# KiCad board BV1.3.kicad_pcb (continued)
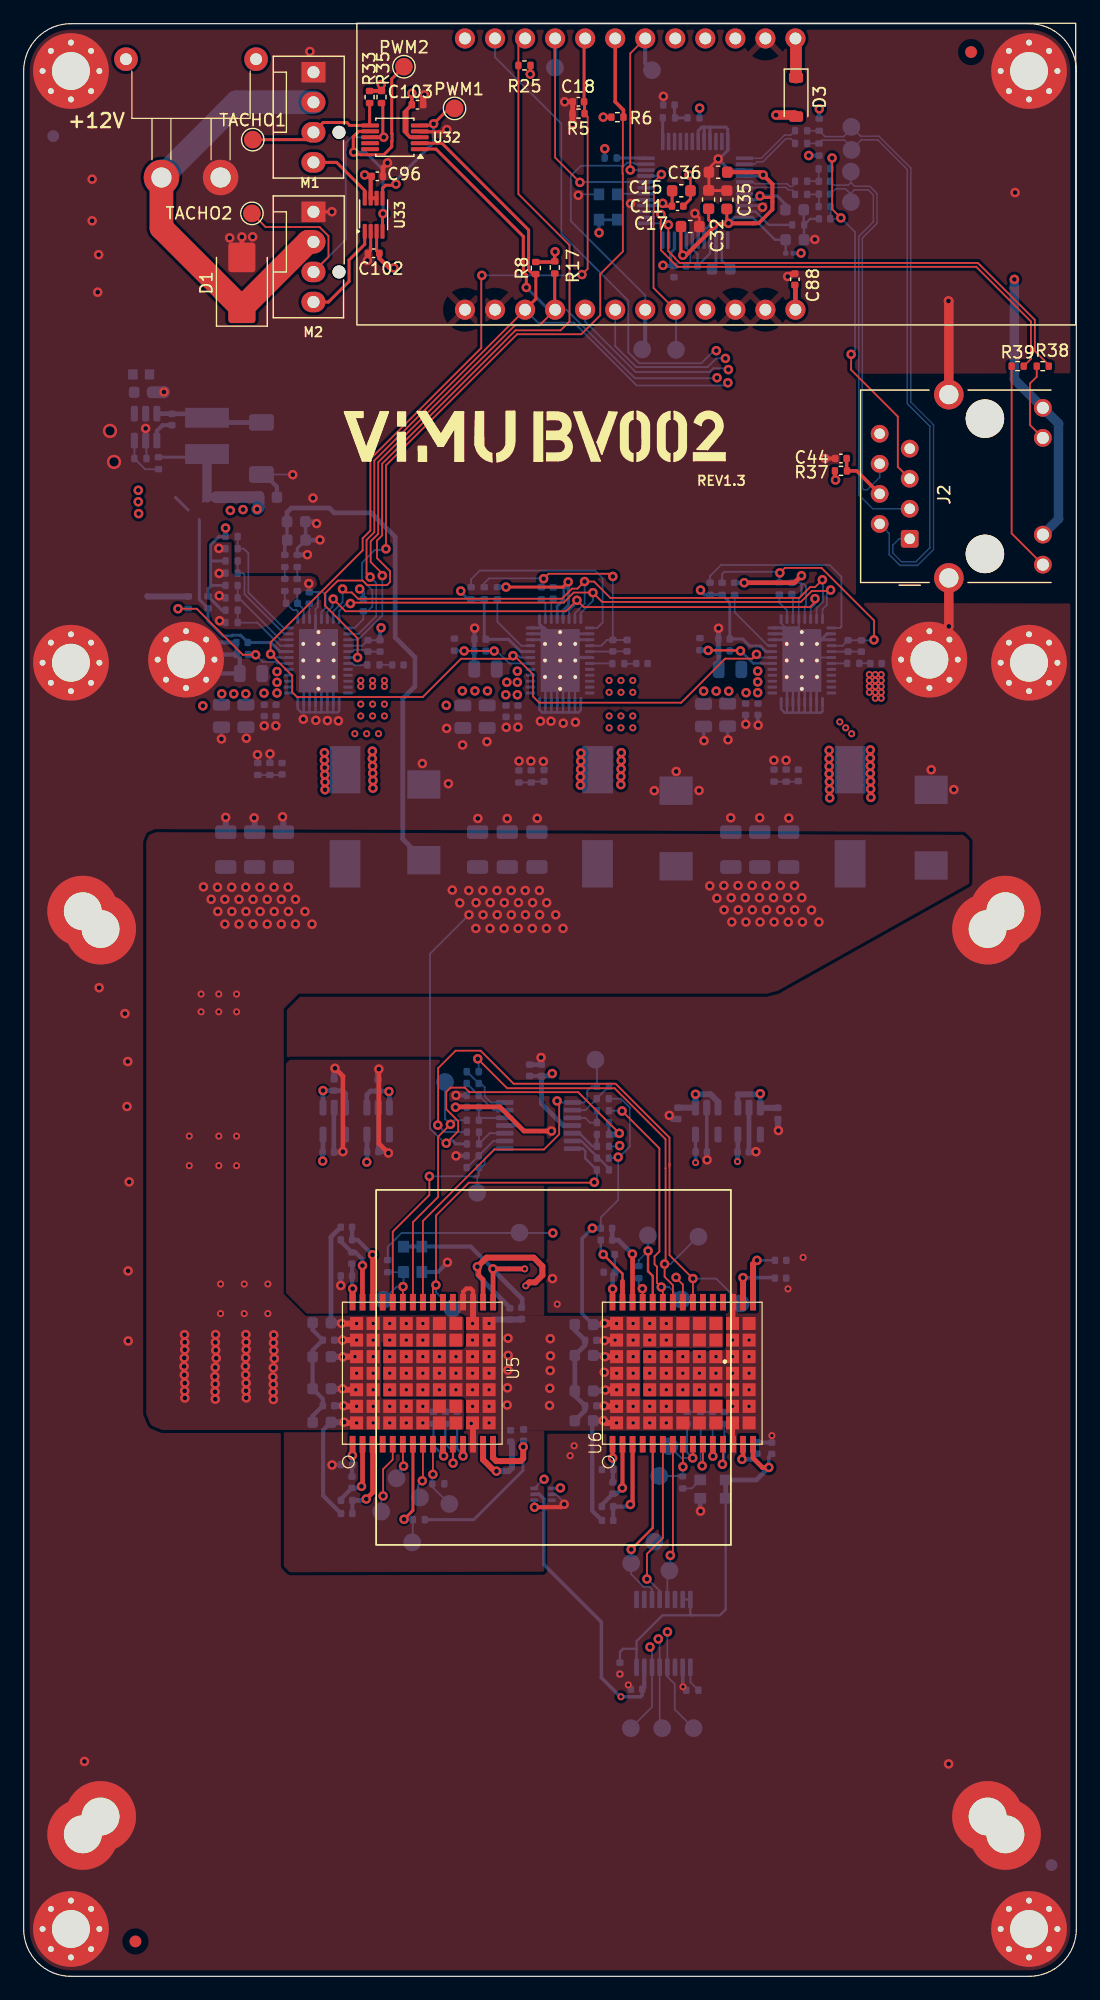
[diagram p0: board, top side]
## Routing (per net, layer and track width the routed paths; a pad name or vN(x,y) marks a point on that pad's centre or on a via; arc(x,y) is an arc through that point) (continued)
GND: length 265.4
  Top w0.203: v1(56.75,148.97) 57.12,148.59 C17.2 ; C36.2 57.94,152.79 v1(58.72,153.57)
  Top w0.254: U32.4 33.52,155.86 35.59,155.86 v1(35.78,156.05) ; C36.2 57.94,150.94 C32.2 57.92,150.9 59.45,150.9 ; U33.2 29.34,145.83 C102.2 ; M2.1 26.05,149.1 v1(26.06,149.11)
  Top w0.3: M2.1 24.2,149.4
  Top w0.35: U6.32 59.98,46.72 U6.13 ; v1(43.19,39.64) 45.45,39.64 v1(45.7,39.89) ; C44.1 v1(67.75,128.26)
  Top w0.4: v1(18.45,146.98) D1.2 ; U6.32 59.98,55.21 U6.18 ; v1(45.74,158.4) C18.2 46.42,157.42 R5.1 ; v1(64.6,143.63) 64.8,143.84 65.16,143.84 C88.2 ; C96.2 30.38,152.86 v1(30.76,153.24) ; v1(36.52,73.44) 36.55,73.47 40.26,73.47 42.3,71.43 v1(44.62,71.43) ; C102.2 29.11,145.04 v1(29.06,144.99)
  Top w0.508: v1(33.88,158.99) 33.78,158.89 C103.2 ; v1(46.41,156.53) 46.4,156.54 R5.1
  Top w0.8: J2.SH 78.22,141.54 v1(78.19,141.57) ; J2.SH v1(78.22,114.07)
  Bottom w0.152: R78.1 19.79,103.21 v1(19.77,103.23) ; v1(46.89,150.5) 46.97,150.58 U2.2 ; U20.41 U20.41 64.04,114.34 U20.33 ; R29.2 57.23,47.7 R43.2 R44.2 R47.2 59.41,47.69 ; NT3.1 24.88,115.73 24.67,115.52 U18.36 ; 43.16,39.64 v1(43.19,39.64) ; v1(45.7,39.89) 45.7,40.03 45,40.73 U37.2 ; v1(22.75,126.89) 22.73,126.91 20.37,126.91 ; U15.29 51.64,150.13 v1(51.31,149.8) ; NT5.1 65.54,116.45 U20.36 65.54,113.84 U20.41 ; R14.1 10.38,129.71 U14.2 10.31,130.8 v1(10.31,130.8) ; U20.6 67.32,111.44 U20.41 ; 23.83,122.9 C101.2
  Bottom w0.2: v1(43.19,39.64) 43.17,39.66 U37.4 ; C161.2 63.26,45.12 v2(63.26,45.69)
  Bottom w0.203: U18.41 23.67,109.76 U18.19 23.67,106.82 23.68,106.81 ; 24.66,106.81 24.67,106.82 U18.17 24.67,108.54 U18.41 25.17,108.54 U18.16 25.17,106.81 25.17,106.81 ; 24.66,106.81 25.17,106.81 ; 24.66,106.81 24.17,106.81 ; 46.63,106.8 46.61,106.82 U19.14 46.61,109.94 U19.41 44.11,109.94 U19.19 44.11,106.83 44.08,106.8 ; 46.63,106.8 46.91,106.8 47.11,107 U19.13 ; 46.63,106.8 46.03,106.8 ; U18.41 26.17,109.76 U18.14 26.17,106.84 26.14,106.81 ; 65.56,106.78 65.95,106.78 ; 65.56,106.78 65.54,106.8 U20.17 65.54,108.54 U20.41 66.04,108.54 U20.16 66.04,106.87 65.95,106.78 ; 65.56,106.78 64.98,106.78 ; 65.95,106.78 66.59,106.78 ; 25.17,106.81 25.66,106.81 ; 44.08,106.8 43.83,106.8 43.61,107.02 U19.20 ; 44.08,106.8 44.61,106.8 ; 64.55,106.78 64.98,106.78 ; 64.55,106.78 64.34,106.78 64.04,107.08 U20.20 ; 64.55,106.78 64.54,106.79 U20.19 64.54,109.76 U20.41 ; 64.98,106.78 65.04,106.84 U20.18 65.04,109.04 U20.41 66.54,109.04 U20.15 66.54,106.83 66.59,106.78 ; 44.61,106.8 44.61,106.8 U19.18 44.61,109.04 U19.41 46.11,109.04 U19.15 46.11,106.88 46.03,106.8 ; 44.61,106.8 45.1,106.8 ; 23.68,106.81 24.17,106.81 ; 23.68,106.81 23.46,106.81 23.17,107.1 U18.20 ; 24.17,106.81 24.17,106.81 U18.18 24.17,109.04 U18.41 25.67,109.04 U18.15 25.67,106.82 25.66,106.81 ; 56.53,146.72 56.53,145.99 56.97,145.55 C25.1 58.03,145.58 58.03,146.72 ; 46.03,106.8 45.62,106.8 ; 45.62,106.8 45.61,106.81 U19.16 45.61,108.54 U19.41 45.11,108.54 U19.17 45.11,106.81 45.1,106.8 ; 45.62,106.8 45.1,106.8 ; v1(62.46,149.49) 62.32,149.63 U15.9 ; R11.1 65.95,148.04 C34.2 ; R11.1 65.97,147.98 C40.2 66.86,146.74 v1(66.89,146.77) ; R11.1 66.5,148.51 C37.1 ; 67.01,106.78 67.43,106.78 67.54,106.89 U20.13 ; 67.01,106.78 67.04,106.81 U20.14 67.04,109.76 U20.41 ; 67.01,106.78 66.59,106.78 ; 25.66,106.81 26.14,106.81 ; 26.14,106.81 26.56,106.81 26.67,106.92 U18.13 ; C30.2 59.03,144.97 59.03,146.72
  Bottom w0.254: U20.3 67.42,112.94 U20.41 67.92,113.44 U20.2 ; C54.1 v1(16.72,104.56) ; U20.30 64.16,112.94 U20.41 ; U19.31 45.21,113.44 U19.41 44.29,113.59 43.61,114.27 U19.33 ; 57.54,156.26 58.02,156.26 ; 57.54,156.26 57.34,156.26 57.03,155.95 U15.43 ; 57.54,156.26 57.53,156.25 U15.44 ; 58.02,156.26 59.36,156.26 59.53,156.09 U15.48 59.53,154.3 58.8,153.57 v1(58.72,153.57) 59.66,152.63 U15.3 ; 58.02,156.26 58.03,156.25 U15.45 ; U19.32 44.01,113.94 U19.41 46.21,113.44 U19.2 ; U19.30 43.73,112.94 U19.41 ; v1(20.83,103.3) 20.82,103.29 R84.1 ; v1(54.09,158.86) 54.07,158.84 C1.1 ; U19.41 46.99,112.94 U19.3 ; 17.09,97.92 v1(17.08,97.93) ; U19.36 45.11,115.79 NT4.1 ; U18.36 24.67,113.84 U18.41 ; 21.96,97.91 v1(21.89,97.98) ; U20.32 65.44,113.94 U20.41 65.64,113.44 U20.31 ; 19.53,97.86 v1(19.49,97.89) ; R89.1 23.13,120.66 C91.2
  Bottom w0.3: U7.10 55.72,24.49 v2(55.74,24.46) R23.1 ; v1(61.05,105.8) 61.04,105.81 C116.1 ; v1(59.55,104.49) 59.52,104.52 C66.1 ; U17.11 41.84,71.89 42.3,71.43 v1(44.62,71.43) ; U19.41 46.89,111.44 U19.6 ; C194.1 57.75,69.69 U13.2 57.75,73.76 ; C91.2 23.83,122.9 ; v1(57.52,104.41) 57.48,104.45 C64.1 ; C150.1 62.08,105.74 v1(62.1,105.72)
  Bottom w0.35: H7.1 15.95,110.09 C57.1 18.27,111.43 C67.1 ; v1(36.52,73.44) 36.52,73.44 R65.1 ; C67.1 16.56,111.69 H7.1 ; C67.1 17.99,111.71 C71.1 15.68,112.71 H7.1 ; C56.1 C69.1 38.11,112 C73.1 38.11,113.9 v1(38.13,113.92) ; 20.37,126.91 21.41,125.86 C108.2 ; C161.2 62.02,45.11 C157.2
  Bottom w0.4: U11.2 61.33,69.68 C190.1 61.89,69.66 v1(61.91,69.68) ; v1(36.52,73.44) 36.48,73.47 36.38,73.47 ; C101.2 24.76,122.92 24.77,122.91 v1(24.77,122.76) ; v1(23.99,120.13) 23.97,120.11 R89.1 ; 57.2,40.4 57.2,39.34 v1(57.23,39.31) ; C194.1 57.77,69 v1(57.78,68.99) ; C165.2 47.46,47.81 C23.1 46.6,49.07 C168.2 C174.2 47.46,53.34 C50.1 46.6,54.6 C176.2 ; C63.1 58.77,111.97 C132.1 58.74,112.02 C134.1 58.74,113.9 v1(58.75,113.91) ; v1(43.74,77.64) 43.74,77.08 C206.1 C207.1 ; C91.2 25.03,121.36 v1(25.05,121.38)
  Bottom w0.508: C89.2 21.96,97.91 ; v1(54.59,72.75) 54.89,72.45 55.3,72.45 C192.1 ; v1(63.81,71.47) 63.77,71.51 C188.1 ; C97.2 19.53,97.86 ; C106.2 17.09,97.92
  Bottom w1: v1(11.86,133.88) 11.84,133.85 10.9,133.85
  vias: v1(5.14,18.16) v1(5.79,151.86) v1(5.79,148.34) v1(6.34,145.48) v1(6.26,142.31) v1(6.38,83.54) v1(8.56,81.35) v1(8.74,73.5) v1(8.8,77.3) v1(8.83,59.61) v1(8.84,53.69) v1(8.92,67.13) v1(17.42,146.9) v1(18.83,104.62) v1(19.36,146.99) v1(20.34,105.67) v1(21.32,105.67) v1(23.64,106.23) v1(24.2,162.65) v1(24.46,124.92) v1(24.7,106.13) v1(25.68,106.11) v1(26.61,106.09) v1(33.71,102.48) v1(35.76,105.45) v1(35.91,100.78) v1(37.11,104.05) v1(38.4,97.84) v1(39.17,104.33) v1(40.8,105.54) v1(40.88,97.83) v1(41.79,105.56) v1(41.88,102.69) v1(42.88,102.69) v1(43.42,97.85) v1(43.69,106.06) v1(43.94,102.66) v1(44.58,106.06) v1(44.71,58.96) v1(45.62,105.89) v1(46.65,105.97) v1(53.32,100.19) v1(55.17,101.81) v1(57.1,100.2) v1(59.78,97.9) v1(62.23,97.9) v1(63.43,102.76) v1(64.46,102.76) v1(64.69,97.87) v1(76.73,101.96) v1(78.2,17.95) v1(78.64,100.28) v1(83.82,150.73) v2(45.11,56.8) v2(46.2,43.99) v2(46.54,44.83) v2(50.41,25.54) v2(51.12,24.62) v2(52.93,52.36) v2(52.93,50.96) v2(52.93,49.56) v2(54.33,52.36) v2(54.33,50.96) v2(54.33,49.56) v2(55.73,52.36) v2(55.73,50.96) v2(55.73,49.56) v2(57.13,52.36) v2(57.13,50.96) v2(57.13,49.56) v2(58.53,52.36) v2(58.53,50.96) v2(58.53,49.56) v2(59.93,53.76) v2(59.93,52.36) v2(59.93,50.96) v2(59.93,49.56) v2(59.93,48.16) v2(61.33,53.76) v2(61.33,52.36) v2(61.33,50.96) v2(61.33,49.56) v2(61.33,48.16) v2(64.62,58.09) v2(65.9,60.75) v3(7.3,130.59) v3(7.64,127.97)
VDD: length 119.6
  Top w0.152: v1(50.36,71.23) 46.88,74.71 37.68,74.71 37.3,75.09 36.09,75.09 35.73,74.73 35.73,73.27 36.74,72.26 36.74,71.41 v1(35.73,70.4)
  Top w0.4: 36.45,55.21 36.41,55.16
  Top w0.508: v2(28.15,55.16) 26.9,55.16 v1(26.89,55.18) ; v2(28.15,53.76) 26.97,53.76 v1(26.96,53.77) ; U5.31 v2(28.01,52.36) 27.01,52.36 v1(26.99,52.34) ; v2(28.15,48.16) 27.1,48.16 v1(27.05,48.21) ; U5.31 v2(28.08,49.56) 27.04,49.56 v1(26.97,49.64) ; v1(27.09,46.82) 27.15,46.76 v2(28.15,46.76)
  Bottom w0.152: 22.08,121.16 C91.1 22.27,121.38 ; v1(35.73,70.4) 35.59,70.4 34.36,71.63 34.36,86.41 v1(37.65,89.7)
  Bottom w0.254: 49.47,71.14 R59.1 R56.2 ; R62.1 36.54,70.34 36.27,70.61 35.87,70.61 35.73,70.46 v1(35.73,70.4)
  Bottom w0.3: R88.1 22.08,121.16 ; C101.1 22.27,121.38
  Bottom w0.35: C90.1 25.32,40.62 25.32,46.16 C164.1
  Bottom w0.4: C178.2 25.98,62.47 C167.1 ; C101.1 22.27,123.7 22.63,124.07 25.85,124.07 26.26,123.66 29.38,123.66 31.41,121.63 31.41,113.13 33.08,111.46 33.08,109 32.05,107.97 32.05,96.09 C121.2
  Bottom w0.508: C167.1 26.84,55.22 v1(26.89,55.18) ; v1(26.99,52.34) 26.98,52.35 C173.1 ; C28.2 26.96,53.76 v1(26.96,53.77) ; v1(27.09,46.82) 27.09,46.82 C164.1 ; C175.1 26.96,49.65 v1(26.97,49.64) ; R59.1 50.27,71.14 v1(50.36,71.23) ; v1(27.05,48.21) 27.05,48.22 C52.2
  vias: v1(13.6,54.22) v1(13.62,53.58) v1(13.62,52.95) v1(13.58,52.26) v1(13.56,51.54) v1(13.58,50.82) v1(13.62,50.13) v1(13.61,49.47) v1(13.63,48.87) v1(15.2,92.06) v1(15.85,91.01) v1(16.23,54.23) v1(16.21,53.57) v1(16.24,52.91) v1(16.2,51.46) v1(16.17,50.68) v1(16.2,50.06) v1(16.18,49.4) v1(16.2,48.77) v1(16.28,52.23) v1(16.39,92.03) v1(16.41,89.98) v1(17.01,91) v1(17.01,88.91) v1(17.58,92.03) v1(17.6,89.98) v1(18.2,91) v1(18.2,88.91) v1(18.78,92.03) v1(18.8,89.98) v1(18.79,54.23) v1(18.81,53.59) v1(18.81,52.96) v1(18.77,52.27) v1(18.75,51.55) v1(18.77,50.83) v1(18.81,50.14) v1(18.8,49.48) v1(18.82,48.88) v1(19.4,91) v1(19.4,88.91) v1(19.97,92.03) v1(19.99,89.98) v1(20.59,91) v1(20.59,88.91) v1(21.14,54.2) v1(21.12,53.54) v1(21.11,51.43) v1(21.08,50.65) v1(21.11,50.03) v1(21.09,49.37) v1(21.11,48.74) v1(21.17,92.03) v1(21.19,89.98) v1(21.15,52.88) v1(21.19,52.2) v1(21.79,91) v1(21.79,88.91) v1(22.36,92.03) v1(22.38,89.98) v1(22.98,91) v1(22.98,88.91) v1(23.78,89.98) v1(24.38,88.91) v1(36.24,91.79) v1(36.87,90.7) v1(37.63,91.75) v1(38.25,90.72) v1(38.23,88.55) v1(38.82,91.75) v1(38.84,89.7) v1(39.44,90.72) v1(39.42,88.55) v1(40.02,91.75) v1(40.04,89.7) v1(40.64,90.72) v1(40.62,88.55) v1(41.21,91.75) v1(41.23,89.7) v1(41.83,90.72) v1(41.81,88.55) v1(42.41,91.75) v1(42.43,89.7) v1(43.03,90.72) v1(43.01,88.55) v1(43.6,91.75) v1(43.62,89.7) v1(44.22,90.72) v1(44.2,88.55) v1(44.98,89.7) v1(45.6,88.55) v1(58.01,92.14) v1(58.61,91.1) v1(59.2,92.17) v1(59.22,90.12) v1(59.82,91.14) v1(59.87,89.09) v1(60.39,92.17) v1(60.41,90.12) v1(61.01,91.14) v1(61.06,89.09) v1(61.59,92.17) v1(61.61,90.12) v1(62.21,91.14) v1(62.26,89.09) v1(62.78,92.17) v1(62.8,90.12) v1(63.4,91.14) v1(63.45,89.09) v1(63.98,92.17) v1(64,90.12) v1(64.6,91.14) v1(64.65,89.09) v1(65.17,92.17) v1(65.19,90.12) v1(65.79,91.14) v1(65.84,89.09) v1(66.61,90.1) v1(67.24,89.09) v2(14,71) v2(14,68.5) v2(15,83) v2(15,81.5) v2(16.5,83) v2(16.5,81.5) v2(16.5,71) v2(16.5,68.5) v2(16.65,58.5) v2(16.65,56) v2(18,83) v2(18,81.5) v2(18,71) v2(18,68.5) v2(18.65,58.5) v2(18.65,56) v2(20.65,58.5) v2(20.65,56) v2(28.15,50.96) v2(29.55,55.16) v2(29.55,53.76) v2(29.55,52.36) v2(29.55,50.96) v2(29.55,49.56) v2(29.55,48.16) v2(29.55,46.76) v2(30.95,55.16) v2(30.95,53.76) v2(30.95,48.16) v2(30.95,46.76) v2(32.35,55.16) v2(32.35,53.76) v2(32.35,48.16) v2(32.35,46.76) v2(33.75,55.16) v2(33.75,53.76) v2(33.75,48.16) v2(33.75,46.76)
VDD1: length 101.2
  Top w0.35: 38,56.96 38,57.93 37.8,58.12 37.43,58.12 37.15,57.84 U5.19 ; v2(37.84,46.72) 37.8,46.76
  Top w0.4: v1(26.99,69.69) 26.99,76.06 v1(26.32,76.73) ; v1(30.84,69.57) 30.03,70.38 v1(30.03,76.66)
  Top w0.508: v1(49,46.96) 49.2,46.76 v2(50.13,46.76) ; U5.32 38,46.72 38,44.96 ; v2(50.13,55.16) 49.44,55.16 49.43,55.18 v1(49.11,55.18) ; v1(49.07,48.21) 49.12,48.16 v2(50.13,48.16) ; 38,56.96 38,55.21 v2(37.95,55.16) ; v1(49.11,53.72) 49.15,53.76 v2(50,53.76) U6.31 ; v2(50.13,49.56) 49.21,49.56 v1(49.18,49.54) ; v1(49.14,52.36) 49.14,52.36 v2(50.13,52.36)
  In1.Cu w0.4: v1(36.56,74.44) 36.61,74.44 37.32,73.73 37.32,70.1 v1(36.56,69.33)
  Bottom w0.152: v1(48.09,63.22) 48.19,63.32 ; 50.26,69.14 R58.2 ; 50.26,69.14 50.26,69.14 v1(50.26,69.22) 50.26,65.6 48.8,64.13 C185.2 ; 50.26,69.14 51.25,70.13 51.25,73.39 50.48,74.16 R55.2
  Bottom w0.3: C176.1 47.21,56 47.21,62.35 v1(48.09,63.22)
  Bottom w0.35: R61.2 36.56,69.34 v1(36.56,69.33) ; C164.2 24.43,47.35 C52.1 25.29,48.78 C175.2 C173.2 24.43,52.9 C28.1 24.43,54.62 C167.2 ; C165.1 48.07,46.88 48.07,39.35 C153.1 ; C107.2 26.1,43.24 v1(26.07,43.21) ; v1(35.83,60.33) 35.02,59.51 33.67,59.51 ; R64.2 v1(36.56,74.44) 36.53,74.42
  Bottom w0.4: v1(48.09,63.22) 48.1,63.21 C185.2 ; U12.2 26.23,73.38 C193.1 26.94,69.64 v1(26.99,69.69) ; 26.81,58.37 v1(26.81,58.38) C195.1 ; v1(30.84,69.57) 30.73,69.68 C189.1 29.99,73.39 U10.2
  Bottom w0.508: C168.1 49.12,49.47 v1(49.18,49.54) ; v1(49.14,52.36) 49.03,52.47 C174.1 ; C191.1 26.25,76.66 v1(26.32,76.73) ; v1(30.03,76.66) 29.96,76.59 C187.1 ; C23.2 49.07,48.21 v1(49.07,48.21) ; v1(49,46.96) 48.99,46.95 C165.1 ; C182.2 42.05,55.5 C180.2 39.69,55.5 v2(39.35,55.16) ; C176.1 49,55.07 v1(49.11,55.18) ; v1(49.11,53.72) 49.08,53.74 C50.2
  vias: v1(40.95,53.92) v1(40.94,51.23) v1(40.9,49.73) v1(40.88,48.27) v1(40.96,52.47) v1(44.52,53.88) v1(44.54,52.43) v1(44.52,51.19) v1(44.48,49.69) v1(44.46,48.24) v1(49.09,51.04) v2(30.95,52.36) v2(30.95,50.96) v2(30.95,49.56) v2(32.35,52.36) v2(32.35,50.96) v2(32.35,49.56) v2(33.75,52.36) v2(33.75,50.96) v2(33.75,49.56) v2(35.15,52.36) v2(35.15,50.96) v2(35.15,49.56) v2(36.55,52.36) v2(36.55,50.96) v2(36.55,49.56) v2(37.95,53.76) v2(37.95,52.36) v2(37.95,50.96) v2(37.95,49.56) v2(37.95,48.16) v2(39.35,53.76) v2(39.35,52.36) v2(39.35,50.96) v2(39.35,49.56) v2(39.35,48.16) v2(39.35,46.76) v2(50.13,50.96) v2(51.53,55.16) v2(51.53,53.76) v2(51.53,52.36) v2(51.53,50.96) v2(51.53,49.56) v2(51.53,48.16) v2(51.53,46.76) v2(52.93,55.16) v2(52.93,53.76) v2(52.93,48.16) v2(52.93,46.76) v2(54.33,55.16) v2(54.33,53.76) v2(54.33,48.16) v2(54.33,46.76)
/BM1373/CI: length 17.6
  Top w0.152: U6.6 54.04,37.04 52.7,35.7 v1(52.7,33.57)
  Bottom w0.152: CI1.1 53.33,36.33 52.69,35.69 52.7,35.68 v1(52.7,33.57) 52.78,33.57 53.77,32.58 U7.4
/BM1373/CLKO: length 4.7
  Top w0.152: U6.8 v1(55.74,43.06)
  Bottom w0.152: CLKI1.1 55.57,42.28 55.6,42.25 R46.1 55.72,43.04 v1(55.74,43.06)
/BM1373/Level Shifter/BI: length 50.4
  Top w0.152: 54.6,68.64 54.6,70.87 50.05,75.42 41.42,75.42 38.63,78.21 36.52,78.21 35.04,76.74 35.04,71.96 v1(35.01,71.93) ; 54.6,68.64 54.6,68.64 54.6,60.94 v1(56.58,58.96) U6.22 ; 54.6,68.64 54.6,68.41
  Bottom w0.152: 60.5,57 58.54,58.96 v1(56.58,58.96) ; v1(35.01,71.93) 35.01,71.92 35.6,71.34 R63.1
/BM1373/Level Shifter/BI2: length 21.7
  Top w0.152: 31.37,56.96 31.37,57.35 31.38,57.36 ; U5.26 31.21,62.93 34.3,66.02 v1(34.3,67.6)
  Bottom w0.152: U17.8 39.81,69.94 38.97,69.1 38.97,68.62 38.69,68.34 R70.1 38.47,67.67 38.4,67.6 v1(34.3,67.6) ; 38.35,67.55 BI2.1
/BM1373/Level Shifter/CI: length 21.1
  Top w0.152: U6.25 54.04,58.11 ; v1(53.91,58.24) 53.54,58.61 53.54,59.97 53.34,60.17 53.34,60.84 53.75,61.25 53.75,69.97 v1(50.59,73.12) 50.68,73.21
  Bottom w0.152: CO1.1 54.57,58.24 v1(53.91,58.24) ; R57.1 50.58,73.14 v1(50.59,73.12)
/BM1373/Level Shifter/CI2: length 31
  Top w0.152: U5.23 33.76,63.83 39.8,69.87 43.99,69.87 45.28,71.16 45.28,73.79 v1(45.1,73.97)
  Bottom w0.152: v1(45.1,73.97) 45.23,73.84 U17.1 47.38,73.84 47.65,74.1 47.65,74.81 48.04,75.21 R68.1 48.47,77.34 CI2.1
/BM1373/Level Shifter/CLKI: length 30.1
  Top w0.152: U6.23 55.74,58.45 55.14,59.04 v1(55.16,59.06)
  In1.Cu w0.152: 48.86,59.08 48.47,59.08 v1(44.74,62.81) ; 48.86,59.08 48.68,59.08 ; 48.86,59.08 55.14,59.08 v1(55.16,59.06)
  Bottom w0.152: R67.1 30.78,61.64 31.96,62.82 44.73,62.82 v1(44.74,62.81)
/BM1373/Level Shifter/CLKO: length 6
  Top w0.152: U5.25 32.06,58.27 v1(32.07,58.28)
  Bottom w0.152: R67.2 32.1,59.5 32.11,59.51 32.11,58.32 v1(32.07,58.28) 31.54,58.28 CLKI2.1
/BM1373/Level Shifter/NRSTI: length 18.2
  Top w0.2: v1(52.79,61.3) 52.79,59.58 53.19,59.19 U6.26
  In1.Cu w0.152: v1(50.39,70.19) 52.73,67.85 52.73,61.36 v1(52.79,61.3)
  Bottom w0.152: R60.1 50.33,70.14 v1(50.39,70.19) ; RSTO1.1 52.78,61.31 v1(52.79,61.3) 52,60.51 R31.2
/BM1373/Level Shifter/NRSTI2: length 28.9
  Top w0.152: U5.22 34.6,58.17 34.86,58.43 v1(34.86,58.41) 34.86,64.29 37.63,67.06 48.21,67.06 v1(48.24,67.1)
  Bottom w0.152: RSTI2.1 34.86,57.82 v1(34.86,58.41) ; v1(48.24,67.1) 48.47,67.32 R69.1 48.52,68.14
  Bottom w0.203: U17.7 47.29,69.94 47.48,69.75 47.48,69.12 R69.1
/BM1373/Level Shifter/RO: length 37.7
  Top w0.152: U6.24 54.89,58.41 54.19,59.11 v1(54.19,60.19) 54.27,60.27 54.27,68.27 54.27,68.27 54.27,70.74 49.96,75.05 40.87,75.05 v1(38.39,77.53)
  Bottom w0.152: 57,62.5 54.69,60.19 v1(54.19,60.19) ; v1(38.39,77.53) 38.47,77.44 R72.1
/BM1373/Level Shifter/RO2: length 21.6
  Top w0.152: U5.24 32.91,63.73 35.04,65.86 35.04,70.95 v1(36.08,71.99)
  Bottom w0.152: RO2.1 35.62,72.46 v1(36.08,71.99) 36.43,72.34 R66.1
/BM1373/RESET: length 174.7
  In1.Cu w0.152: v1(58.56,137.37) 59.64,137.37 61.09,135.92 61.09,134.08 64.25,130.92 64.25,126.69 70.73,120.22 70.73,108.15 74.91,103.97 74.91,89.01 71.78,85.88 71.78,44.16 55.48,27.85 53.03,27.85 53.01,27.88 52.95,27.83 v1(52.95,27.83)
  Bottom w0.152: v1(52.95,27.83) 53.12,27.66 U7.14 53.12,22.76 RESET1.1 ; U30.2 39.85,162.17 45.46,156.55 45.46,147.25 51.11,141.59 51.11,137.23 52.03,136.31 57.3,136.31 58.36,137.37 v1(58.56,137.37)
  Bottom w0.3: 53.12,26.06 53.18,26.12
/BM1373/RO: length 13.4
  Top w0.152: U6.7 54.89,35.79 v1(54.68,35.57) 54.7,35.59
  Bottom w0.152: U7.5 54.42,34.37 54.68,34.63 v1(54.68,35.57)
  Bottom w0.2: 54.7,35.59 v1(54.68,35.57)
/BM1373/RST_N: length 15.1
  Top w0.152: v1(51.37,36.07) 51.37,36.17
  Top w0.2: U6.5 53.19,37.89 v1(51.37,36.07)
  Bottom w0.152: 51.37,36.17 v1(51.37,36.07) 51.37,33.98 52.42,32.92 52.9,32.92 53.12,32.7 U7.3
/BM1373/RXD: length 146.1
  In1.Cu w0.152: v1(54.43,29.11) 55.8,29.11 71.12,44.43 71.12,86.16 74.25,89.29 74.25,103.69 70.07,107.88 70.07,119.94 63.59,126.42 63.59,130.61 60.25,133.95 60.25,135.1 v1(59.58,135.77) ; U30.20 47.47,140.56
  Bottom w0.152: v1(54.43,29.11) 54.42,29.1 U7.12 54.42,25.33 55.04,24.7 55.04,22.56 RXD1.1 ; v1(59.58,135.77) 59.47,135.88 58.31,135.88 57.99,135.57 51.73,135.57 47.47,139.83 U30.20
/BM1373/TXD: length 145.7
  In1.Cu w0.152: v1(59.33,136.72) 59.56,136.72 60.73,135.54 60.73,133.94 63.92,130.75 63.92,126.56 70.4,120.08 70.4,108.01 74.58,103.83 74.58,89.15 71.45,86.02 71.45,44.29 55.61,28.45 53.71,28.45 v1(53.66,28.51)
  Bottom w0.152: U30.19 50.01,137.76 51.79,135.98 57.82,135.98 58.56,136.72 v1(59.33,136.72) ; v1(53.66,28.51) 53.77,28.39 U7.13 53.77,21.18 TXD1.1
/power1/BCX_CLK: length 52.7
  Top w0.152: v1(26.96,117.23) 27.25,116.94 27.74,116.94 28.27,116.41 45.51,116.41 46.36,117.26 46.82,117.26 v1(47.42,117.86) 48.22,117.86 49.6,116.48 65.58,116.48 66.5,117.39 66.91,117.39 v1(67.53,118.01)
  Bottom w0.152: v1(47.42,117.86) 47.44,117.84 47.44,116.01 46.61,115.18 U19.39 ; U18.39 26.17,115.33 26.97,116.13 26.97,117.22 v1(26.96,117.23) ; U20.39 67.04,115.62 67.57,116.15 67.57,117.97 v1(67.53,118.01)
/power1/BCX_DAT: length 49
  Top w0.152: v1(27.63,116) 27.87,116 27.95,116.08 45.65,116.08 46.5,116.93 48.12,116.93 v1(48.13,116.92) 48.91,116.14 65.71,116.14 66.63,117.06 68.15,117.06 v1(68.22,117.14)
  Bottom w0.152: U19.40 47.11,115.21 48.13,116.24 v1(48.13,116.92) ; v1(68.22,117.14) 67.91,116.82 67.91,115.89 67.54,115.53 U20.40 ; U18.40 26.67,115.37 27.31,116 v1(27.63,116)
/power1/M_BP1V5: length 31.8
  In1.Cu w0.35: v1(30.22,113.95) 29.45,114.72 24.73,114.72 v1(17.07,122.38)
  Bottom w0.152: C104.2 C93.2 28.65,112.44 U18.4
  Bottom w0.254: R24.2 16.51,121.66 15.81,120.95 15.81,119.64 ; R42.2 15.85,119.6 15.81,119.64 ; 15.88,117.53 15.81,117.6 15.81,119.64 ; 15.88,117.53 R41.2 ; 15.88,117.53 15.59,117.24 R87.1 16.76,115.44 R48.2
  Bottom w0.35: R24.2 v1(17.07,122.38) ; v1(30.22,113.95) 30.13,113.87 C104.2
/power1/PWR_EN: length 122.5
  Top w0.152: v1(38.74,143.73) 38.69,143.68 38.69,137.6 29.32,128.22 29.32,122.17 28.66,121.51 28.66,120.5 20.88,112.71 v1(20.88,111.73) 22.7,109.9 22.7,108.51 23.11,108.1 33.74,108.1 36.98,111.34 41.11,111.34 v1(41.37,111.59) 41.49,111.59 43.06,110.02 43.06,108.15 43.59,107.62 55.59,107.62 59.31,111.35 61.6,111.35 v1(61.96,111.71) ; v1(47.2,143.8) 47.68,144.28 47.68,157.14 R5.2
  Top w0.254: R5.2 47.42,158.36 C18.1 47.38,163.66 U30.5
  Bottom w0.152: U19.27 41.99,111.44 41.84,111.59 v1(41.37,111.59) ; U20.27 62.23,111.44 61.96,111.71 v1(61.96,111.71) ; 21.78,111.44 21.17,111.44 20.88,111.73 v1(20.88,111.73) ; 21.78,111.44 21.46,111.44 ; 21.78,111.44 U18.27 ; v1(38.74,143.73) 47.13,143.73 v1(47.2,143.8)
/power1/S1_BP1V5: length 21.2
  Top w0.152: v1(43.96,118.1) 44.37,118.51 49.59,118.51 v1(49.81,118.29)
  Bottom w0.152: C100.2 v1(49.81,118.29) ; C100.2 49.31,112.92 48.83,112.44 U19.4 ; C100.2 C109.2 ; R79.2 43.76,117.9 v1(43.96,118.1) 43.93,118.13 39.35,118.13 38.94,117.72 R90.1
/power1/S2_BP1V5: length 22
  Top w0.152: v1(71.89,112.93) 71.89,114.57 67.45,119.01 64.35,119.01 v1(63.93,118.59)
  Bottom w0.152: R98.1 59.05,118.48 59.25,118.68 63.84,118.68 v1(63.93,118.59) 63.89,118.55 R94.2 ; U20.4 69.24,112.44 C139.2 70.81,112.9 C141.2 71.85,112.89 v1(71.89,112.93)
/power1/SYNC: length 48
  Top w0.152: v1(26.17,116.38) 27.21,115.35 45.85,115.35 v1(46.77,116.27) 47.35,115.7 66.48,115.7 66.9,116.12 v1(66.9,116.41)
  Bottom w0.152: U18.38 25.67,115.31 26.11,115.74 26.11,116.32 v1(26.17,116.38) ; v1(46.77,116.27) 46.69,116.19 46.53,116.19 46.53,115.8 46.11,115.38 U19.38 ; U20.38 66.54,115.59 66.9,115.95 v1(66.9,116.41)
/T-Display-S3/MISO: length 15.9
  Top w0.152: v1(51.29,152.63) 51.29,162.49 U30.7
  Bottom w0.152: U15.34 51.29,152.63 v1(51.29,152.63)
  Bottom w0.35: U30.7 52.55,161.64 MISO1.1
/T-Display-S3/MOSI: length 24.3
  Bottom w0.152: U30.18 52.55,142.03 46.26,148.32 46.26,150.15 46.25,150.16 46.25,150.68 46.26,150.69 46.26,152.13 47.13,153 50.77,153 51.03,153.26 51.54,153.26 51.67,153.13 U15.35
  Bottom w0.35: MOSI1.1 52.55,137.73 U30.18
/T-Display-S3/SCL: length 201.1
  Top w0.152: v1(29.29,118.24) 28.99,118.54 28.99,121.37 29.65,122.03 29.65,128.09 U30.22 ; 32.79,154.9 U32.2
  Top w0.254: 42.6,141.04 U30.22 43.3,141.74 R8.1 43.04,143.84 42.69,144.19 42.69,144.52 42.68,144.54 42.68,145.18 42.69,145.2 42.69,147.57 35.36,154.9 U32.2
  In1.Cu w0.152: 42.46,140.76 U30.22 ; v1(59.54,134.66) 59.54,134.2 63.26,130.48 63.26,126.28 69.74,119.81 69.74,107.74 73.92,103.56 73.92,89.42 70.79,86.29 70.79,44.57 66.75,40.52 46.13,40.52 v1(45.38,41.27)